# Altium PCB PLC1.PcbDoc (part 2 of 4) (continued)
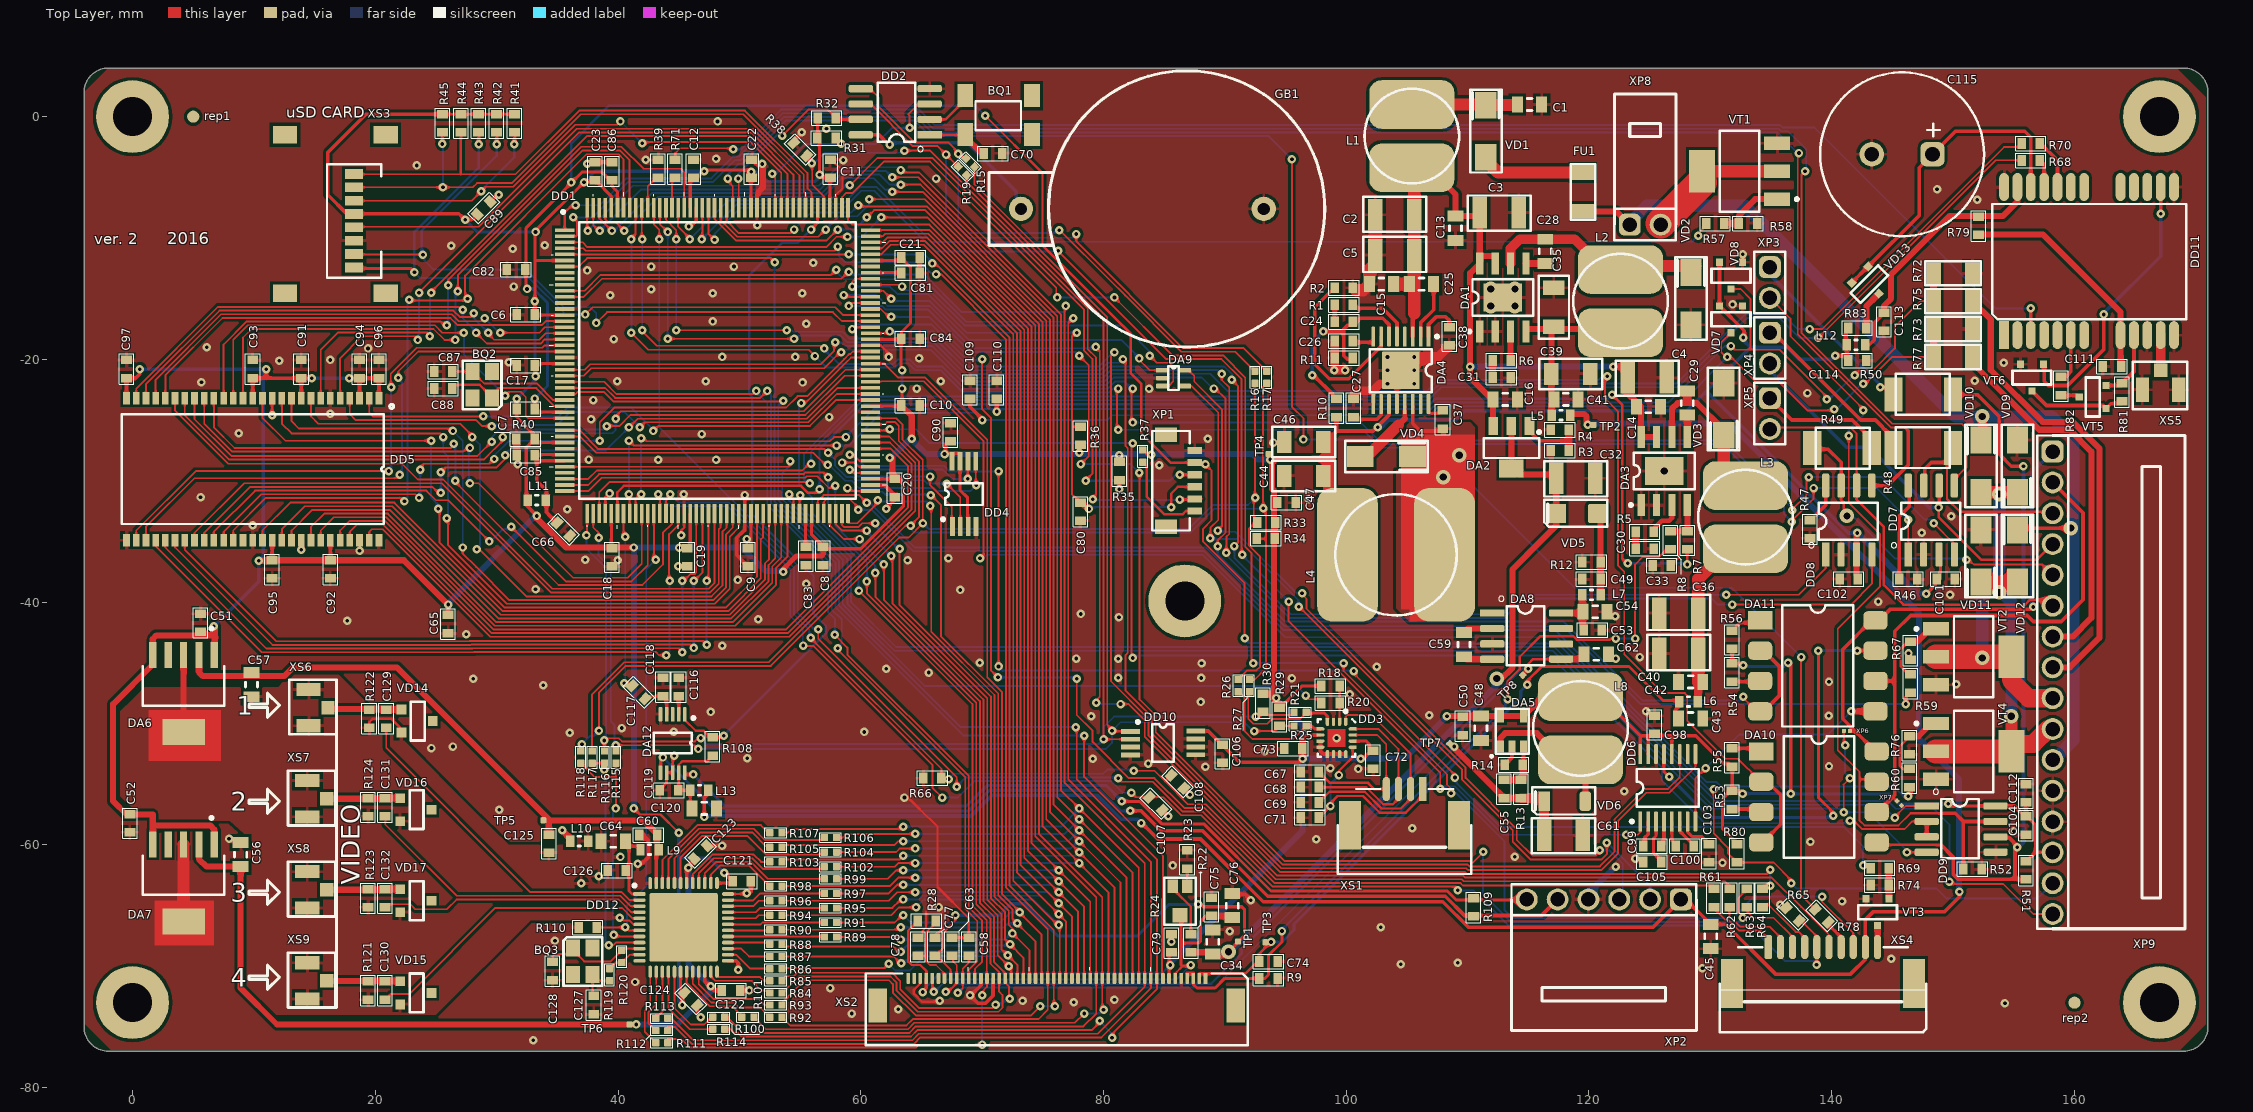
[diagram p0: Top Layer view]
## Nets (pads, with @x,y where several pads share a name; then routed paths per layer and width w, separated by ;. In a path a pad name is that pad's centre, name@x,y a point inside that pad or via, vN(x,y) a via of type N, cw(c..) or ccw(c..) an arc to the next point about the centre after c; other vN are vias at no path point) (continued)
  Top Layer w0.25: DD3.8@97.875,-51.95 DD3.7@97.875,-51.45 ; DD3.9@98.45,-52.525 DD3.12@99.95,-52.525
  Top Layer w0.3: v1(13.9,-35.7) DD5.46@13.9,-34.9 ; C23.1@38.1,-3.75 C86.2@39.5,-3.75 ; v1(45.825,-9.05) 45.975,-9.05 46.45,-8.575 DD1.158@46.45,-7.5 ; C123.2@47.33,-60.07 v1(48.57,-60.07) ; DD12.25@49.05,-69.55 49.716,-69.55 49.9,-69.734 v1(49.9,-70.3) ; C122.2@49.85,-72 v1(50.8,-72) ; v1(50.45,-31.175) 50.45,-34.063 50.366,-34.148 50.33,-34.148 49.775,-34.702 49.775,-36.125 C9.2@50.7,-37.05 ; v1(50.6,-64) 50.8,-64 50.95,-63.85 C121.2@50.95,-63 ; C22.1@51,-3.55 C22.1@51.225,-3.55 ; DD1.148@51.45,-7.5 51.45,-6.45 51.575,-6.325 ; DD1.90@60.8,-30.35 61.95,-30.35 C20.1@63,-31.4 ; C81.2@64.85,-12.9 C21.2@64.85,-11.6 ; XS2.38@69.9,-71 69.9,-71.577 69.077,-72.4 v1(69,-72.4) 69.652,-73.052 70.27,-73.052 70.898,-72.425 70.898,-71.002 XS2.36@70.9,-71 ; C76.1@90.6,-64 90.677,-64.077 91.677,-64.077 v1@92.125,-64.525 ; DD3.8@97.875,-51.95 97.875,-52.275 98.125,-52.525 DD3.9@98.45,-52.525 ; DA4.9@102.225,-23.675 102.225,-22.575 ; 102.8,-22 v1(103.4,-22) DA4.17@104.5,-20.9 DA4.17@103.5,-20.9 ; DA4.12@104.175,-23.675 DA4.17@104.175,-22 ; R14.2@113.05,-53.4 113.65,-52.8 DA5.2@113.65,-51.9
  Top Layer w0.5: C85.2@31.65,-28 C7.2@31.65,-26.7 ; v1(35.4,-58.8) 36.05,-59.45 L10.1@36.05,-59.7 ; C22.1@51.225,-3.55 51.925,-4.25 51.925,-5.85 51.575,-6.2 51.575,-6.325
  Top Layer w0.7: C26.2@99.05,-18.6 99.05,-20.85 v1(99,-20.9) v1(99.9,-20.9) ; C27.1@100.6,-23.25 100.6,-22.9 100.925,-22.575 102.225,-22.575 102.8,-22 ; 107.45,-19.9 C38.2@108.5,-18.85
  Top Layer w1: DA7.6@4.2,-66.31 DA7.3@4.2,-59.96 ; R2.1@100.8,-14.3 101.4,-14.3 C15.2@101.9,-13.8 101.9,-12.6 102.4,-12.1 C2.1@102.4,-8.1 ; DA4.17@105.9,-19.9 107.45,-19.9
  Bottom Layer w0.15: v1@102.457,-45.425 102.525,-45.357 v1(102.525,-45.325)
  Bottom Layer w0.2: XP2.4@119.955,-64.5 XP2.4@119.955,-63.995 ; v1@122.15,-61.8 v1(122.2,-61.8)
  Bottom Layer w0.5: XP2.4@119.955,-63.995 v1@122.15,-61.8
  other v1: 33,-76.1 59.25,-73.9 63.1,-73.55 154.275,-73.05 77.55,-72.975 73.325,-72.85 80.9,-72.75 57.475,-71.8 41.4,-71.3 129.35,-70.175 104.5,-69.825 109.2,-69.725 144.9,-69.375 85.6,-67.975 34.8,-67.9 90.4,-67.125 102.85,-66.8 66.425,-65.125 135.75,-64.925 140.85,-64.65 92.125,-64.575 85.7,-61.7 131,-61.475 123.8,-61.125 113.875,-60.975 138.25,-59.75 97.525,-59.525 7.95,-59.5 155,-58.875 105.425,-58.625 30.2,-57.1 122.9,-55.575 101,-53.75 98.7,-53.7 88.4,-53.575 139.775,-53.525 83.7,-53.3 79.1,-52.9 50.65,-52.875 93.275,-52.275 24.625,-52.025 26.4,-51.9 36.025,-50.75 44.6,-50.7 60.3,-50.7 40.3,-50.375 79,-49.4 139.75,-49.35 106.85,-49.325 47.625,-49.05 124.7,-49 88.025,-48.225 100.28,-47.602 33.85,-46.85 150.25,-46.775 139.775,-46.575 28.075,-46.3 95.525,-46.275 88.05,-46.25 81.225,-46.225 65.6,-45.8 62.1,-45.5 88.075,-45.025 69.8,-45 81.225,-44.675 77.75,-44.65 122.2,-44.65 124.175,-44.525 146.325,-44.225 48.6,-43.6 27.5,-42.65 17.7,-41.55 51.55,-41.4 81.275,-41.25 122.15,-41.15 78.125,-40.975 143.825,-39.95 149.75,-39.4 68.2,-39 33.2,-38.95 55.5,-38.5 49.85,-38.175 44.975,-37.05 39.975,-36.55 63.85,-36.55 37.3,-36.5 67.225,-36.4 18.7,-35.775 147.425,-34.275 9.9,-33.65 149.85,-32.925 35.8,-32.35 96.925,-31.525 5.6,-31.35 45.425,-31.1 84.6,-28.725 31.725,-28.625 43.325,-28.275 48.075,-28.275 37.6,-28.25 94,-26.85 88.6,-26.525 46.9,-26.15 8.75,-26.1 37.775,-24.925 57.4,-24.75 16.3,-24.5 37.95,-23.35 138,-22.775 83.75,-22.425 64.6,-22.4 105.6,-22 55.2,-21.9 5.675,-21.875 39.925,-21.8 47.225,-21.8 66.6,-21.8 151.775,-21.75 103.4,-20.9 105.6,-20.9 154.175,-20.275 31,-20.225 12.1,-20.1 16.3,-20.05 64.8,-19.9 48.6,-19.8 54.6,-19.8 103.4,-19.8 105.6,-19.8 19.4,-19.1 6.1,-19 39.65,-18.325 55.5,-17.05 47.8,-16.875 131.825,-15.475 39.35,-14.725 47.8,-14.55 55.175,-14.55 42.75,-14.225 31.4,-14 37.475,-12.675 42.75,-12.35 49.55,-12.35 56.075,-12.05 31.325,-10.875 26.25,-10.65 33.95,-10.6 51.475,-8.95 151.975,-6.85 148.675,-5.975 66.2,-5.1 23.425,-4.025 51.875,-3.9 37.45,-3.875 58.55,-3.575 42.275,-3.55 48.075,-3.475 48.2,-0.4
  other v2: 126.2,-29.2 111.9,-15.6 113.9,-15.6 111.9,-14.2 113.9,-14.2
GNDA: C57.1 C60.2 C64.1 C125.2 C126.2 DA6.3 DA6.6 DD12.6 DD12.48 L10.2 R121.1 R122.2 R123.1 R124.2 VD14.2 VD15.2 VD16.2 VD17.2 XS6.2 XS7.2 XS8.2 XS9.2 | length 15.5
  Top Layer w0.15: v1(40.152,-66.003) 40.203,-66.003 40.423,-66.223 40.923,-66.223 41.25,-66.55 DD12.6@41.775,-66.55
  Top Layer w0.2: R122.2@19.5,-50.35 19.5,-49.9 19.8,-49.6 21.307,-49.6 22.15,-50.443 VD14.2@22.15,-50.75
  Top Layer w0.3: v1(41.625,-61.55) 41.958,-61.55 42.502,-61.006 42.502,-59.658 C60.2@42.044,-59.2
  Top Layer w0.5: DA6.6@4.2,-50.91 DA6.3@4.2,-44.56 ; C60.2@41.75,-59.2 C60.2@42.044,-59.2
  other v1: 36.975,-63.15 38.4,-62.6 40.2,-61
HEAT_ON: DD1.157 R57.1 | length 89.8
  Top Layer w0.15: v1@46.95,-10.1 DD1.157@46.95,-7.5 ; v1(129,-9.8) 129,-9.6 129.65,-8.95 R57.1@129.65,-8.8
  Bottom Layer w0.15: v1(46.9,-10.1) 49.79,-7.21 58.507,-7.21 59.917,-5.8 61.3,-5.8 65.825,-10.325 73.424,-10.325 73.425,-10.326 128.523,-10.277 128.6,-10.2 v1(129,-9.8)
I2C2_SCL: DD1.45 DD10.2 R19.2 R21.2 R30.1 R116.2 | length 132.6
  Top Layer w0.15: v1@37.45,-34.35 DD1.45@37.45,-32.7 ; R116.2@38.85,-52.3 R116.2@38.875,-52.275 v1(38.875,-51.4) 39.052,-51.223 40.075,-51.223 40.325,-51.473 46.327,-51.473 46.6,-51.2 v1(46.8,-51.2) ; R19.2@68.725,-4.825 68.725,-5.37 80.01,-16.654 80.01,-51.29 v1(80,-51.3) DD10.2@82.225,-51.3 ; v1@92.475,-49.3 R21.2@95.7,-49.3
  Bottom Layer w0.15: v1(37.4,-34.5) 37.4,-35.6 38.9,-37.1 38.85,-37.15 39.002,-37.302 39.002,-51.273 v1(38.875,-51.4) ; v1@38.85,-51.25 v1@38.875,-51.225 ; v1(46.8,-51.2) 47.3,-51.7 67.172,-51.7 67.175,-51.698 79.602,-51.698 v1(80,-51.3) 80,-50.3 80.875,-49.425 v1(92.55,-49.425)
I2C2_SDA: DD1.46 DD10.1 R15.2 R25.2 R29.1 R115.2 | length 130.5
  Top Layer w0.15: DD1.46@37.95,-32.7 37.95,-33.85 38.4,-34.3 v1(38.4,-34.7) ; v1(39.8,-51.8) 46.3,-51.8 v1(46.6,-52.1) ; R15.2@69.375,-4.15 69.375,-5.592 80.312,-16.529 80.312,-50.112 80.7,-50.5 80.7,-50.65 DD10.1@82.225,-50.65 ; v1(92.425,-50.625) 94.075,-50.625 R29.1@94.5,-50.2 R25.2@95.7,-50.2
  Bottom Layer w0.15: v1(38.4,-34.7) 38.4,-36.172 39.4,-37.172 39.4,-49.8 39.702,-50.102 39.702,-51.45 39.7,-51.452 v1@39.7,-51.7 ; v1(46.6,-52.1) 80.2,-52.1 80.7,-51.6 v1@80.7,-50.65 ; v1@80.8,-50.5 81.397,-49.903 91.603,-49.903 92.292,-50.592 92.258,-50.625 v1(92.425,-50.625)
  Bottom Layer w0.2: v1@39.7,-51.7 v1(39.8,-51.8)
  other v1: 80.7,-50.6
I2C4_SCL: DD1.100 R17.2 R27.2 R34.2 R117.2 | length 105
  Top Layer w0.15: R117.2@37.875,-52.275 37.848,-52.248 37.848,-47.627 40.523,-44.952 52.432,-44.952 63.684,-33.7 v1(64.1,-33.7) 64.791,-33.009 64.791,-28.391 63.125,-26.725 63.125,-25.475 62.823,-25.173 62.161,-25.173 61.983,-25.35 DD1.100@60.8,-25.35 ; R27.2@92.025,-46.375 92.45,-46.375 93.375,-45.45 93.375,-34.775 ; R34.2@92.35,-34.775 93.375,-34.775 ; v1(93.15,-32.275) 93.15,-28.492 93.148,-28.489 93.148,-28.111 93.123,-28.086 93.123,-27.514 93.15,-27.487 93.15,-22.275 R17.2@93.45,-21.975 ; v1@93.375,-32.275 93.375,-34.775
  Bottom Layer w0.15: v1(64.1,-33.7) 64.1,-33.948 64.427,-34.275 87.15,-34.275 89.125,-32.3 93.125,-32.3 v1(93.15,-32.275)
I2C4_SDA: DD1.101 R16.2 R26.2 R33.1 R118.2 | length 104.2
  Top Layer w0.15: v1(38.425,-50.6) 38.425,-47.478 40.648,-45.255 52.598,-45.255 63.178,-34.675 63.942,-34.675 65.1,-33.517 65.1,-28.272 63.429,-26.602 63.429,-25.352 62.928,-24.85 DD1.101@60.8,-24.85 ; R26.2@91.1,-46.375 91.848,-45.627 92.564,-45.627 92.567,-45.625 92.6,-45.625 92.902,-45.323 92.902,-36.25 91.982,-35.33 91.982,-33.943 92.5,-33.425 92.373,-33.425 92.373,-31.527 v1(92.5,-31.4) 92.483,-31.4 92.475,-31.392 R16.2@92.475,-21.975
  Bottom Layer w0.15: v1(37.025,-51.725) 37.725,-51.025 38,-51.025 v1(38.425,-50.6) ; v1(65.125,-33.5) 65.598,-33.973 87.025,-33.973 89,-31.998 91.902,-31.998 v1(92.5,-31.4)
LCD_B0: DD1.3 R100.2 XS2.19 | length 134.4
  Top Layer w0.15: DD1.3@35.6,-10.35 37.078,-10.35 37.473,-10.745 57.155,-10.745 58,-9.9 v1(58.9,-9.9) ; 48.7,-73.9 50.25,-75.45 52.025,-75.45 52.065,-75.49 64.013,-75.49 64.542,-74.962 78.338,-74.962 79.4,-73.9 XS2.19@79.4,-71 79.4,-64.3 74.376,-59.276 74.376,-17.193 65.483,-8.3 v1(61.7,-8.3)
  Bottom Layer w0.15: v1(58.9,-9.9) 60.1,-9.9 v1(61.7,-8.3)
LCD_B1: DD1.155 R101.2 XS2.18 | length 122.1
  Top Layer w0.15: DD1.155@47.95,-7.5 47.95,-8.45 49.7,-10.2 57.2,-10.2 v1(58.1,-9.3) ; R101.2@51.1,-74 51.1,-74.098 52.19,-75.188 63.888,-75.188 64.416,-74.66 77.64,-74.66 v1(78.4,-73.9) ; v1(60.5,-8.3) 61.098,-7.702 65.313,-7.702 74.678,-17.068 74.678,-59.078 79.9,-64.3 XS2.18@79.9,-71 79.9,-73.5 v1(80,-73.6)
  Bottom Layer w0.15: v1(58.1,-9.3) 59.5,-9.3 v1(60.5,-8.3) ; v1(78.4,-73.9) 79.6,-73.9 v1@79.9,-73.6
LCD_B2: DD1.153 R102.2 XS2.17 | length 109.2
  Top Layer w0.15: DD1.153@48.95,-7.5 48.948,-7.502 48.948,-8.592 49.951,-9.595 54.205,-9.595 v1(54.5,-9.3) ; R102.2@58,-61.8 62.8,-61.8 63.098,-61.502 64.498,-61.502 v1(64.5,-61.5) ; v1(59.8,-7.3) 59.8,-7.2 60,-7.4 65.438,-7.4 74.981,-16.943 74.981,-58.481 80.4,-63.9 XS2.17@80.4,-71
  Bottom Layer w0.15: v1(54.5,-9.3) 55.9,-7.9 59.2,-7.9 v1@59.9,-7.2 ; v1(64.5,-61.5) v1(78,-61.5)
LCD_B3: DD1.154 R103.2 XS2.16 | length 115
  Top Layer w0.15: DD1.154@48.45,-7.5 48.45,-8.522 49.825,-9.898 56.502,-9.898 v1(57.1,-9.3) ; R103.2@53.7,-61.2 63.2,-61.2 v1(63.5,-60.9) ; v1(60.7,-6.8) 65.265,-6.8 75.283,-16.818 75.283,-57.883 80.9,-63.5 XS2.16@80.9,-71
  Bottom Layer w0.15: v1(57.1,-9.3) 58.198,-8.202 59.714,-8.202 60.7,-7.217 v1@60.7,-7 ; v1(63.5,-60.9) 77.7,-60.9 v1(78,-60.6)
LCD_B4: DD1.173 R104.2 XS2.15 | length 121.7
  Top Layer w0.15: DD1.173@38.95,-7.5 38.95,-8.45 39.2,-8.7 39.8,-8.7 v1(40.5,-9.4) ; R104.2@58,-60.6 62.9,-60.6 63.198,-60.302 64.498,-60.302 v1(64.5,-60.3) ; v1(62.6,-6.2) 65.093,-6.2 75.586,-16.692 75.586,-57.286 81.4,-63.1 XS2.15@81.4,-71
  Bottom Layer w0.15: v1(40.5,-9.4) 43.295,-6.605 56.895,-6.605 58.427,-5.073 61.073,-5.073 62.028,-6.028 62.428,-6.028 v1(62.6,-6.2) ; v1(64.5,-60.3) 77.3,-60.3 77.9,-59.7 v1(78,-59.7)
LCD_B5: DD1.174 R105.2 XS2.14 | length 127.8
  Top Layer w0.15: DD1.174@38.45,-7.5 38.45,-8.378 v1@39.486,-9.414 ; v1(39.5,-9.4) v1@39.7,-9.4 ; R105.2@53.6,-60 62.8,-60 63.1,-59.7 v1(63.5,-59.7) ; v1(63.3,-5.6) 64.921,-5.6 75.888,-16.567 75.888,-56.688 81.9,-62.7 XS2.14@81.9,-71
  Bottom Layer w0.15: v1(39.5,-9.4) 39.7,-9.4 39.6,-9.5 39.6,-9.483 42.781,-6.302 56.77,-6.302 58.302,-4.77 61.554,-4.77 62.383,-5.6 v1(63.3,-5.6) ; v1(63.5,-59.7) 77.1,-59.7 v1(78,-58.8)
LCD_B6: DD1.175 R106.2 XS2.13 | length 124.8
  Top Layer w0.15: DD1.175@37.95,-7.5 37.95,-8.95 38.5,-9.5 v1(38.5,-9.4) ; R106.2@58,-59.4 58.5,-59.4 58.8,-59.1 v1(64.5,-59.1) ; v1(62.6,-5) 64.748,-5 76.19,-16.442 76.19,-56.09 82.4,-62.3 82.4,-66.1 XS2.13@82.4,-71
  Bottom Layer w0.15: v1(38.5,-9.4) 41.9,-6 56.645,-6 58.177,-4.468 62.068,-4.468 v1(62.6,-5) ; v1(64.5,-59.1) 76.8,-59.1 v1(78,-57.9)
LCD_B7: DD1.176 R107.2 XS2.12 | length 130.8
  Top Layer w0.15: DD1.176@37.45,-7.5 37.45,-9.35 v1(37.5,-9.4) ; R107.2@53.5,-59 54,-59 54.3,-58.7 63.3,-58.7 v1(63.5,-58.5) ; v1(63.3,-4.4) 63.5,-4.6 64.8,-4.6 76.493,-16.293 76.493,-55.493 v1(78,-57) 82.9,-61.9 XS2.12@82.9,-71
  Bottom Layer w0.15: v1(37.5,-9.4) 41.202,-5.698 56.519,-5.698 58.051,-4.166 63.073,-4.166 v1@63.3,-4.393 ; v1(63.5,-58.5) 76.5,-58.5 v1(78,-57)
LCD_CLK: DD1.111 R111.2 XS2.37 | length 93.4
  Top Layer w0.15: 44.1,-76 44.11,-76.01 45.254,-76.01 45.945,-76.7 64.514,-76.7 64.739,-76.475 v1@70,-76.475 ; v1(55.1,-23.6) 55.264,-23.764 55.697,-23.33 58.748,-20.28 58.764,-20.28 59.194,-19.85 DD1.111@60.8,-19.85 ; v1(59.85,-39.05) 69.205,-48.405 69.205,-65.026 70.376,-66.197 70.376,-70.976 XS2.37@70.4,-71 70.4,-71.7 70,-72.1 v1@70,-72.3 ; v1@70,-76.5 v1(70,-76.45)
  Bottom Layer w0.15: v1(55.1,-23.6) 54.9,-23.8 54.9,-30.283 56,-31.383 56,-32.683 59.8,-36.483 59.8,-39 v1(59.85,-39.05) ; v1@69.9,-72.2 70,-72.3 v1@70,-76.5
  other v1: 70,-72.4
LCD_DE: DD1.28 R114.2 XS2.9 | length 125.1
  Top Layer w0.15: DD1.28@35.6,-22.85 36.5,-22.85 36.65,-22.7 38.85,-22.7 39.63,-23.48 53.52,-23.48 v1(53.6,-23.4) ; R114.2@48.7,-75 48.9,-75.2 49.307,-75.2 49.61,-75.502 49.875,-75.502 50.165,-75.793 64.139,-75.793 64.667,-75.264 79.036,-75.264 v1@79.75,-74.55 ; v1(77.7,-50.3) 77.8,-50.2 77.8,-54.605 84.398,-61.202 84.398,-70.998 XS2.9@84.4,-71 84.4,-71.9 v1@80.489,-75.811
  Bottom Layer w0.15: v1@53.7,-23.4 v1(53.6,-23.4) 53.2,-23.8 53.2,-31.606 58.217,-36.623 58.217,-40.297 68.22,-50.3 v1(77.7,-50.3) ; v1(79.7,-74.5) 79.7,-74.55 80.7,-75.55 v1(80.7,-75.9)
LCD_G0: DD1.4 R92.2 XS2.27 | length 120.2
  Top Layer w0.15: DD1.4@35.6,-10.85 37.15,-10.85 37.348,-11.048 57.852,-11.048 58.2,-10.7 v1(58.1,-10.7) ; R92.2@53.5,-74 R92.2@53.5,-74.2 54.186,-74.886 63.763,-74.886 64.291,-74.357 74.643,-74.357 75.4,-73.6 XS2.27@75.4,-71 75.398,-70.998 75.398,-66.948 71.957,-63.507 71.957,-18.344 66.613,-13 v1@66.4,-13
  Bottom Layer w0.15: v1(58.1,-10.7) 58.2,-10.7 58.2,-11.483 58.717,-12 64.9,-12 65.8,-12.9 66.4,-12.9 66.3,-13 v1(66.2,-13)
LCD_G1: DD1.5 R93.2 XS2.26 | length 121.5
  Top Layer w0.15: DD1.5@35.6,-11.35 v1(59,-11.35) ; R93.2@53.5,-73 53.773,-72.727 53.859,-72.727 54.027,-72.559 54.027,-72.473 55.35,-71.15 62.325,-71.15 62.65,-71.475 62.65,-72.175 64.53,-74.055 74.045,-74.055 v1(74.8,-73.3) ; v1@65.8,-12 66.04,-12 72.259,-18.219 72.259,-63.376 75.9,-67.017 XS2.26@75.9,-71 75.9,-73.2 v1(76,-73.3)
  Bottom Layer w0.15: v1(59,-11.35) 65.25,-11.35 65.9,-12 v1@65.8,-12 ; v1(74.8,-73.3) v1@75.9,-73.3
  other v1: 65.9,-12.1
LCD_G2: DD1.128 R94.2 XS2.25 | length 94
  Top Layer w0.15: R94.2@53.5,-65.8 62.5,-65.8 63.15,-65.15 v1(64.55,-65.15) ; DD1.128@60.8,-11.35 61.678,-11.35 62.468,-10.56 65.176,-10.56 72.562,-17.945 72.562,-62.962 76.4,-66.8 XS2.25@76.4,-71
  Bottom Layer w0.15: v1(64.55,-65.15) 65.2,-64.5 74.2,-64.5 v1(76.3,-66.6)
LCD_G3: DD1.129 R95.2 XS2.24 | length 89.7
  Top Layer w0.15: R95.2@58,-65.2 62.6,-65.2 63.2,-64.6 63.5,-64.6 v1(63.5,-64.5) ; DD1.129@60.8,-10.85 61.75,-10.85 62.343,-10.257 65.301,-10.257 72.864,-17.82 72.864,-62.264 76.9,-66.3 XS2.24@76.9,-71
  Bottom Layer w0.15: v1(63.5,-64.5) 64.772,-64.5 65.075,-64.198 74.798,-64.198 v1(76.3,-65.7)
LCD_G4: DD1.130 R96.2 XS2.23 | length 94.3
  Top Layer w0.15: R96.2@53.5,-64.6 62.3,-64.6 63,-63.9 v1(64.5,-63.9) ; DD1.130@60.8,-10.35 61.822,-10.35 62.218,-9.955 65.427,-9.955 73.166,-17.695 73.166,-61.666 v1(76.3,-64.8) 77.4,-65.9 XS2.23@77.4,-71
  Bottom Layer w0.15: v1(64.5,-63.9) 64.505,-63.895 75.395,-63.895 v1(76.3,-64.8)
LCD_G5: DD1.131 R97.2 XS2.22 | length 90.1
  Top Layer w0.15: R97.2@58,-64 62.3,-64 63,-63.3 v1(63.5,-63.3) ; DD1.131@60.8,-9.85 61.802,-9.85 62,-9.652 65.552,-9.652 73.469,-17.569 73.469,-61.069 77.9,-65.5 XS2.22@77.9,-71
  Bottom Layer w0.15: v1(63.5,-63.3) 75.7,-63.3 v1(76.3,-63.9)
LCD_G6: DD1.132 R98.2 XS2.21 | length 95
  Top Layer w0.15: R98.2@53.5,-63.4 62.4,-63.4 63.1,-62.7 v1(64.5,-62.7) ; DD1.132@60.8,-9.35 65.677,-9.35 73.771,-17.444 73.771,-60.471 v1(76.3,-63) 78.4,-65.1 XS2.21@78.4,-71
  Bottom Layer w0.15: v1(64.5,-62.7) 76,-62.7 v1(76.3,-63)
LCD_G7: DD1.133 R99.2 XS2.20 | length 94.1
  Top Layer w0.15: R99.2@58,-62.8 62.228,-62.8 62.928,-62.1 v1(63.5,-62.1) ; DD1.133@58.95,-7.5 58.95,-8.55 59.3,-8.9 65.655,-8.9 74.074,-17.319 74.074,-59.874 v1(76.3,-62.1) 78.9,-64.7 XS2.20@78.9,-71
  Bottom Layer w0.15: v1(63.5,-62.1) v1(76.3,-62.1)
LCD_HSYNC: DD1.12 R113.2 XS2.11 | length 144.9
  Top Layer w0.15: DD1.12@35.6,-14.85 37.178,-14.85 38.675,-13.352 58.398,-13.352 58.748,-13.002 59,-13.002 v1(59,-12.8) ; R113.2@44.1,-74.3 44.4,-74.3 46.195,-76.095 64.264,-76.095 64.792,-75.567 79.533,-75.567 83.4,-71.7 XS2.11@83.4,-71 83.4,-61.5 76.795,-54.895 76.795,-16.877 76.798,-16.875 76.798,-16.002 76.9,-15.9 v1(76.9,-15.6)
  Bottom Layer w0.15: v1(59,-12.8) 59,-13 65.211,-13 68.311,-16.1 76.7,-16.1 76.9,-15.9 v1(76.9,-15.6)
LCD_LUM: DD1.50 R7.1 | length 110.9
  Top Layer w0.2: DD1.50@39.95,-32.7 39.95,-30.95 40.473,-30.427 55.079,-30.427 55.652,-31 56.5,-31 v1@56.7,-30.8 ; v1(121.9,-22.9) 122.727,-23.727 122.727,-36.427 123.1,-36.8 123.1,-36.9 123,-36.8 v1(123.2,-36.8) ; v1(128.1,-36.9) R7.1@128.1,-35.65
  Bottom Layer w0.2: v1@56.6,-30.9 56.6,-27.391 60.293,-23.698 106.893,-23.698 107.361,-23.23 121.57,-23.23 v1(121.9,-22.9) ; v1(56.6,-30.7) v1@56.7,-30.8 ; v1(123.2,-36.8) 128,-36.8 v1(128.1,-36.9)
LCD_MODE: DD1.7 XS2.8 | length 95.9
  Top Layer w0.15: DD1.7@35.6,-12.35 36.75,-12.35 37.448,-11.652 52.552,-11.652 v1(52.9,-12) ; v1(78.4,-51) 78.4,-54.4 84.9,-60.9 84.9,-64.383 84.822,-64.461 84.822,-70.922 XS2.8@84.9,-71
  Bottom Layer w0.15: v1(52.9,-12) 52.898,-12.002 52.898,-31.732 57.914,-36.748 57.914,-40.422 68.492,-51 v1(78.4,-51)
LCD_R0: DD1.43 R84.2 XS2.35 | length 92.3
  Top Layer w0.15: DD1.43@35.6,-30.35 37.55,-30.35 38.443,-29.457 55.298,-29.457 55.435,-29.32 56.92,-29.32 v1(57.3,-29.7) ; R84.2@53.5,-72 53.75,-72 54.902,-70.848 62.45,-70.848 62.952,-71.35 62.952,-72.005 64.7,-73.752 71.348,-73.752 71.677,-73.423 71.677,-72.377 71.4,-72.1 XS2.35@71.4,-71 71.4,-70.5 70.678,-69.778 70.678,-66.072 69.507,-64.901 69.507,-48.28 60.5,-39.272 v1(60.5,-38.3)
  Bottom Layer w0.15: v1(57.3,-29.7) 57.3,-33.528 60.5,-36.728 v1(60.5,-38.3)
LCD_R1: DD1.44 R85.2 XS2.34 | length 94.1
  Top Layer w0.15: DD1.44@35.6,-30.85 37.552,-30.85 38.643,-29.76 55.424,-29.76 55.561,-29.623 56.406,-29.623 57.383,-30.6 57.9,-30.6 57.8,-30.5 57.8,-30.4 v1(57.9,-30.4) ; R85.2@53.5,-71.2 53.875,-70.825 54.472,-70.825 54.752,-70.545 62.576,-70.545 63.255,-71.224 63.255,-71.88 64.825,-73.45 70.825,-73.45 71.038,-73.237 v1@71.038,-72.937 ; v1(61.2,-37.6) 61.2,-39.544 69.81,-48.154 69.81,-64.776 70.981,-65.947 70.981,-69.653 ; 70.988,-69.66 71.9,-70.572 XS2.34@71.9,-71 72.023,-71.123 72.023,-71.5 72.225,-71.703 72.225,-72.482 72.004,-72.704 72.246,-72.704 v1(72.275,-72.675)
  Bottom Layer w0.15: v1(57.9,-30.4) 57.8,-30.4 57.8,-30.5 57.9,-30.6 57.9,-33.7 61.2,-37 v1(61.2,-37.6) ; v1(71.1,-73.175) 70.9,-73.175 70.85,-73.125 70.853,-73.122 70.853,-73.103 70.8,-73.05 71.682,-73.05 72.057,-72.675 v1(72.275,-72.675)
LCD_R2: DD1.85 R86.2 XS2.33 | length 65.1
  Top Layer w0.15: R86.2@53.5,-70.2 53.552,-70.148 61.952,-70.148 v1(62.3,-69.8) ; DD1.85@57.45,-32.7 57.45,-33.65 58.6,-34.8 59.795,-34.8 v1@59.895,-34.9 ; v1(61.9,-36.9) 61.9,-39.817 70.112,-48.029 70.112,-64.65 71.283,-65.821 71.283,-69.108 72.4,-70.225 XS2.33@72.4,-71
  Bottom Layer w0.15: v1@59.8,-34.9 v1(59.9,-34.8) ; v1@59.85,-34.85 v1(61.9,-36.9) ; v1@62.45,-69.95 62.85,-70.35 64.05,-70.35 65.225,-69.175 71.375,-69.175 71.523,-69.323 71.523,-69.339 72.183,-70 v1(72.2,-70)
LCD_R3: DD1.86 R87.2 XS2.32 | length 65.8
  Top Layer w0.15: R87.2@53.5,-69.2 62.7,-69.2 63.3,-69.8 v1@63.5,-69.8 ; DD1.86@57.95,-32.7 57.95,-33.578 58.477,-34.105 60.495,-34.105 v1(60.5,-34.1) ; v1@62.5,-36.3 62.592,-36.208 62.6,-36.217 62.6,-40.089 70.414,-47.904 70.414,-64.525 71.586,-65.696 71.586,-68.586 71.95,-68.95 72.15,-68.95 72.29,-69.09 72.29,-69.274 72.9,-69.883 72.9,-70.211 XS2.32@72.9,-71
  Bottom Layer w0.15: v1(60.5,-34.1) 60.4,-34.2 60.5,-34.2 v1(62.5,-36.2) ; v1(63.325,-69.75) 63.325,-69.775 63.3,-69.8 63.5,-69.8 64.502,-68.798 71.4,-68.798 71.403,-68.8 71.875,-68.8 v1@72.138,-69.063 ; v1(72.1,-69.1) v1@72.1,-69.025
LCD_R4: DD1.87 R88.2 XS2.31 | length 66.6
  Top Layer w0.15: R88.2@53.5,-68.2 53.677,-68.377 62.677,-68.377 63.1,-68.8 v1(63.3,-68.8) ; DD1.87@58.45,-32.7 58.45,-33.65 58.602,-33.802 59.825,-33.802 60.128,-33.5 v1(61.2,-33.5) v1@61,-33.5 ; v1@63.2,-35.6 63.2,-40.262 70.717,-47.779 70.717,-64.4 71.888,-65.571 71.888,-67.788 v1(72.3,-68.2) 73.4,-69.3 73.4,-70.283 XS2.31@73.4,-71
  Bottom Layer w0.15: v1@61,-33.5 63.1,-35.6 v1(63.2,-35.6) ; v1(63.3,-68.8) 63.8,-68.3 72,-68.3 v1@72.3,-68 ; v1(72.3,-68.2) v1@72.3,-68 ; v1@72.3,-68.19 v1@72.3,-68
LCD_R5: DD1.88 R89.2 XS2.30 | length 66.4
  Top Layer w0.15: R89.2@58,-67.6 63.3,-67.6 63.5,-67.8 v1(63.3,-67.8) ; DD1.88@58.95,-32.7 58.95,-33.5 59.7,-33.5 61.6,-31.6 61.6,-31.7 61.5,-31.6 v1(61.4,-31.6) ; v1(65.725,-32.075) 65.775,-32.075 65.8,-32.1 65.8,-42.434 71.019,-47.653 71.019,-64.275 72.19,-65.446 72.19,-66.59 72.5,-66.9 v1(72.5,-67.3) 73.9,-68.7 73.9,-70.355 XS2.30@73.9,-71
  Bottom Layer w0.15: v1(61.4,-31.6) 61.5,-31.7 65.4,-31.7 65.725,-32.025 v1(65.725,-32.075) ; v1@63.6,-67.8 71.883,-67.8 72.383,-67.3 v1(72.5,-67.3)
LCD_R6: DD1.89 R90.2 XS2.29 | length 72.5
  Top Layer w0.15: R90.2@53.5,-67 63.3,-67 63.5,-66.8 v1(63.3,-66.8) ; v1@58.9,-30.8 58.95,-30.85 DD1.89@60.8,-30.85 ; v1(65.753,-31.202) 65.753,-31.131 65.75,-31.128 65.752,-31.127 66.6,-31.975 66.6,-42.806 71.322,-47.528 71.322,-64.149 72.493,-65.32 72.493,-66.093 72.861,-66.461 v1(72.877,-66.461) 73.282,-66.866 73.282,-66.882 74.4,-68 74.4,-70.428 XS2.29@74.4,-71
  Bottom Layer w0.15: v1@58.95,-30.85 59,-30.8 59.617,-30.8 59.719,-30.902 61.777,-30.902 62,-31.125 65.75,-31.125 65.753,-31.128 v1(65.753,-31.202) ; v1(63.3,-66.8) 71.8,-66.8 72.139,-66.461 v1(72.877,-66.461)
  other v1: 58.9,-30.6
LCD_R7: DD1.110 R91.2 XS2.28 | length 74.6
  Top Layer w0.15: R91.2@58,-66.4 62.8,-66.4 63.4,-65.8 v1(63.5,-65.8) ; DD1.110@60.8,-20.35 61.95,-20.35 63.1,-21.5 65.3,-21.5 70.423,-26.623 70.423,-46.201 71.624,-47.403 71.624,-64.024 72.695,-65.095 73.2,-65.6 v1@73.3,-65.6 ; v1@73.075,-65.542 v1@73.075,-65.525 ; v1(73.08,-65.547) 73.08,-65.58 74.9,-67.4 XS2.28@74.9,-71
  Bottom Layer w0.15: v1(63.5,-65.8) 64.1,-66.4 71.5,-66.4 72.353,-65.547 v1(73.08,-65.547)
LCD_VSYNC: DD1.11 R112.2 XS2.10 | length 145.5
  Top Layer w0.15: DD1.11@35.6,-14.35 37.25,-14.35 38.55,-13.05 57.55,-13.05 v1@58.05,-12.55 ; 44.1,-75 44.672,-75 46.07,-76.398 64.389,-76.398 64.917,-75.869 79.831,-75.869 83.9,-71.8 83.9,-61.4 77.098,-54.598 77.098,-17.002 77.4,-16.7 77.4,-16.5 v1(77.5,-16.6)
  Bottom Layer w0.15: v1@57.9,-12.7 58.6,-13.4 65.183,-13.4 68.681,-16.898 77.102,-16.898 77.4,-16.6 77.4,-16.5 v1(77.5,-16.6)
  other v1: 57.975,-12.625
LEDA: DD1.152 R78.2 | length 145.7
  Top Layer w0.15: v1(49.027,-5.1) 49.027,-5.302 49.45,-5.725 DD1.152@49.45,-7.5 ; v1(95.525,-3.5) 95.525,-23.9 96.475,-24.85 v1(96.475,-26.6) ; v1(137.475,-44.525) 137.475,-64.15 R78.2@138.645,-65.32
  Bottom Layer w0.15: v1(49.027,-5.1) 49.027,-4.798 49.943,-3.882 50.245,-3.882 53.803,-0.325 55.8,-0.325 55.802,-0.327 64.45,-0.327 65.728,-1.605 93.63,-1.605 v1(95.525,-3.5) ; v1(96.475,-26.6) 101.745,-26.6 102.424,-27.28 107.28,-27.28 118.823,-38.823 131.539,-38.823 131.542,-38.825 131.775,-38.825 v1(137.475,-44.525)